# Altium PCB main_board.PcbDoc
Units mm, origin at the board's own origin, x right, y up, seen from the top; angles counter-clockwise.
Board outline 199.97 x 144.74 mm, 2 copper layers (Top Layer, Bottom Layer), stack 1.57 mm thick; 221 components, 240 nets, 739 pads, 0 vias.
Unrouted connection lines stored in the file: 473.
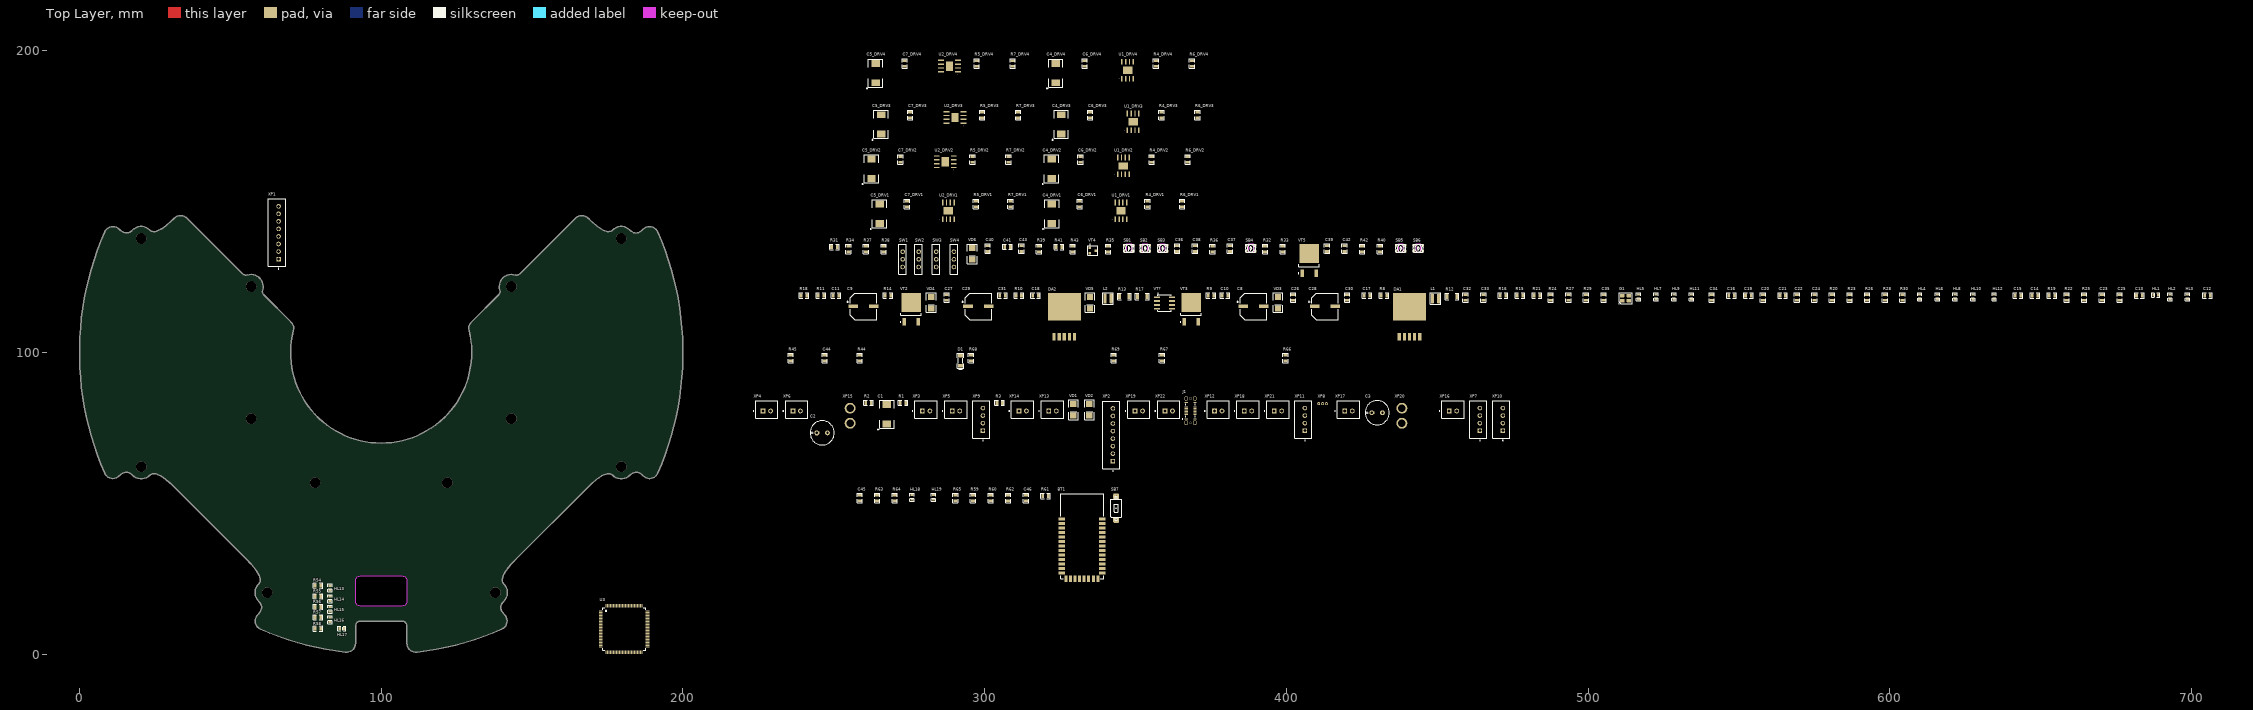
[diagram p0: Top Layer view]
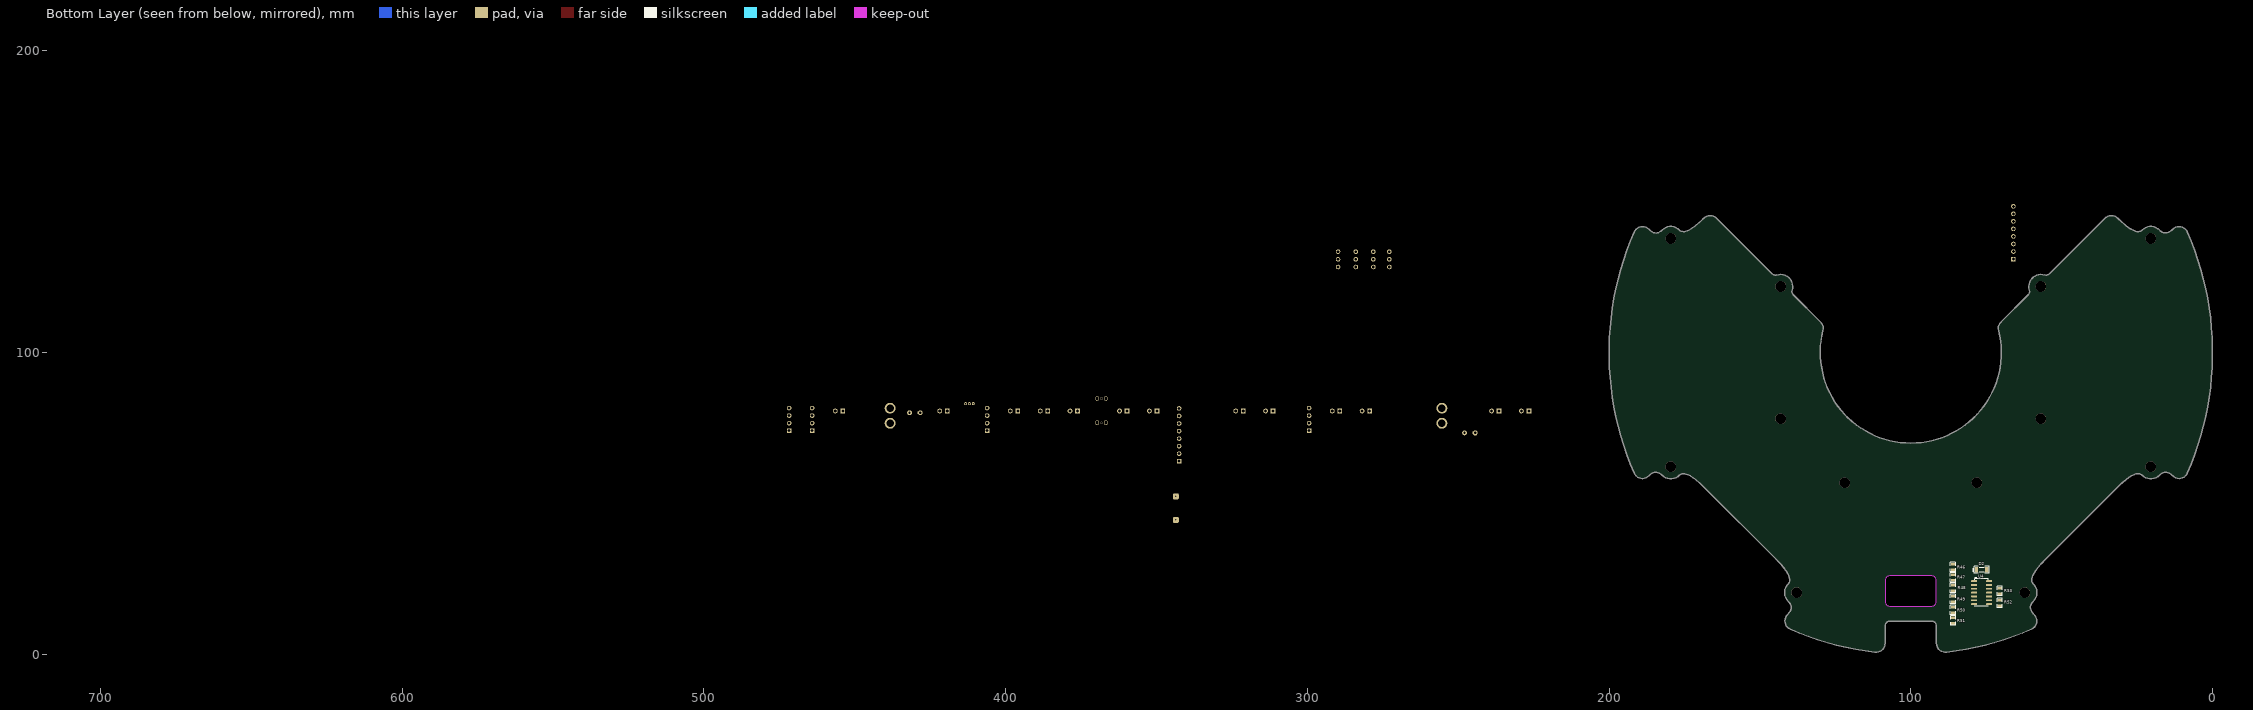
[diagram p1: Bottom Layer view, seen from below]

## Layer stack, top to bottom
Top Solder: solder mask 0.0102, Solder Resist, Dk 3.5
Top Layer: signal copper 0.035
Dielectric 1: dielectric 1.5, FR-4, Dk 4.8
Bottom Layer: signal copper 0.035
Bottom Solder: solder mask 0.0102, Solder Resist, Dk 3.5

## Board outline
502 vertices, not listed, extent 0.013,0.691 199.987,145.426
cut-out: 107,16 93,16 92.666,16.038 92.349,16.149 92.065,16.327 91.827,16.565 91.649,16.849 91.538,17.166 91.5,17.5 91.5,24.5 91.538,24.834 91.649,25.151 91.827,25.435 92.065,25.673 92.349,25.851 92.666,25.962 93,26 107,26 107.334,25.962 107.651,25.851 107.935,25.673 108.173,25.435 108.351,25.151 108.462,24.834 108.5,24.5 108.5,17.5 108.462,17.166 108.351,16.849 108.173,16.565 107.935,16.327 107.651,16.149 107.334,16.038

## Design rules (kind name [scope] priority, off if disabled: settings)
BoardOutlineClearance [All] p1: gap=0.25 ignorepadtopadclearanceinfootprint=FALSE
Clearance Clearance_MultiLayerPad [OnLayer('Multi-Layer') and IsPad] p1: gap=0.25 ignorepadtopadclearanceinfootprint=FALSE except(0: Arc-Hole Track-Hole SMDPad-Hole THPad-Hole Via-Hole Fill-Hole Poly-Hole Region-Hole Text-Hole)
Clearance Clearance_Polygon [InPolygon] p2 off: gap=0.2 ignorepadtopadclearanceinfootprint=FALSE except(0: Arc-Hole Track-Hole SMDPad-Hole THPad-Hole Via-Hole Fill-Hole Poly-Hole Region-Hole Text-Hole)
Clearance [All] p3: gap=0.15 ignorepadtopadclearanceinfootprint=FALSE except(0: Arc-Hole Track-Hole SMDPad-Hole THPad-Hole Via-Hole Fill-Hole Poly-Hole Region-Hole Text-Hole)
ComponentClearance [All] p1 off: gap=0 collisioncheckmode=3 verticalgap=2540 showdistances=TRUE
Height [All] p1 off: minheight=0 maxheight=25.4 prefheight=12.7
HoleSize [All] p1: absolutevalues=TRUE maxlimit=6.3 minlimit=0.2 maxpercent=80.000 minpercent=20.000
HoleToHoleClearance HoleToHoleClearanceVia [IsVia vs IsVia] p1: gap=0.254 allowstackedmicrovias=TRUE
HoleToHoleClearance [All] p2: gap=0.5 allowstackedmicrovias=TRUE
MinimumAnnularRing MinimumAnnularRingVia [IsVia] p1: minimumring=0.15
MinimumAnnularRing [All] p2: minimumring=0.25
MinimumSolderMaskSliver [All] p1: minsoldermaskwidth=0.244
PlaneClearance [All] p1: clearance=0.5
PlaneConnect [All] p1: planeconnectstyle=Relief reliefexpansion=0.5 reliefentries=4 reliefconductorwidth=0.3 reliefairgap=0.2
PolygonConnect PolygonConnect_Power [InPadClass('power')] p1: connectstyle=Relief reliefconductorwidth=0.9 reliefentries=4 polygonreliefangle="90 Angle" airgapwidth=0.2
PolygonConnect [All] p2: thpad.connectstyle=Relief thpad.reliefconductorwidth=0.3 thpad.reliefentries=4 thpad.polygonreliefangle="90 Angle" thpad.airgapwidth=0.2 smdpad.connectstyle=Relief smdpad.reliefconductorwidth=0.3 smdpad.reliefentries=4 smdpad.polygonreliefangle="90 Angle" smdpad.airgapwidth=0.2 via.connectstyle=Direct via.reliefconductorwidth=0.3 via.reliefentries=4 via.polygonreliefangle="90 Angle" via.airgapwidth=0.2
RoutingVias [All] p1: holewidth=0.3 width=0.6 viastyle="Through Hole" minholewidth=0.3 minwidth=0.6 maxholewidth=0.5 maxwidth=1.5
SilkToSilkClearance [All] p1: silktosilkclearance=0.2
SilkToSolderMaskClearance [IsPad] p1: minsilkscreentomaskgap=0.15 clearancetoexposedcopper=TRUE
SolderMaskExpansion [All] p1: expansion=0.05
UnRoutedNet [All] p1: checkbadconnections=TRUE
Width [All] p1: maxlimit=10 minlimit=0.15 preferedwidth=0.3
20 further rules are at their usual default settings.

## Classes and differential pairs
channel class drv: DRV1 DRV2 DRV3 DRV4
component class Switches: C36 C37 C38 C39 C40 C41 C42 C43 R31 R32 R33 R34 R35 R36 R37 R38 R39 R40 R41 R42 R43 SB1 SB2 SB3 SB4 SB5 SB6 SW1 SW2 SW3 SW4 VD6 VT4 VT5
component class main: C8 C9 C10 C11 C12 C13 C14 C15 C16 C17 C18 C19 C20 C21 C22 C23 C24 C25 C26 C27 C28 C29 C30 C31 C32 C33 C34 C35 DA1 DA2 G1 HL1 HL2 HL3 HL4 HL5 HL6 HL7 HL8 HL9 HL10 HL11 HL12 L1 L2 R8 R9 R10 R11 R12 R13 R14 R15 R16 R17 R18 R19 R20 R21 R22 R23 R24 R25 R26 R27 R28 R29 R30 U3 VD3 VD4 VD5 VT2 VT3 VT?
component class Indicator: C44 D1 D2 HL13 HL14 HL15 HL16 HL17 R44 R45 R46 R47 R48 R49 R50 R51 R52 R53 R54 R55 R56 R57 R58 R66 R67 R68 R69 U4
component class DRV4: C4_DRV4 C5_DRV4 C6_DRV4 C7_DRV4 R4_DRV4 R5_DRV4 R6_DRV4 R7_DRV4 U1_DRV4 U2_DRV4
component class DRV3: C4_DRV3 C5_DRV3 C6_DRV3 C7_DRV3 R4_DRV3 R5_DRV3 R6_DRV3 R7_DRV3 U1_DRV3 U2_DRV3
component class DRV2: C4_DRV2 C5_DRV2 C6_DRV2 C7_DRV2 R4_DRV2 R5_DRV2 R6_DRV2 R7_DRV2 U1_DRV2 U2_DRV2
component class DRV1: C4_DRV1 C5_DRV1 C6_DRV1 C7_DRV1 R4_DRV1 R5_DRV1 R6_DRV1 R7_DRV1 U1_DRV1 U2_DRV1
component class Connectors: C1 C2 C3 J1 R1 R2 R3 VD1 VD2 XP1 XP2 XP3 XP4 XP5 XP6 XP7 XP8 XP9 XP10 XP11 XP12 XP13 XP14 XP15 XP16 XP17 XP18 XP19 XP20 XP21 XP22
component class Bluetooth: BT1 C45 C46 HL18 HL19 R59 R60 R61 R62 R63 R64 R65 SB7

## Components (designator, comment, footprint, x,y, rotation, side; value= is the part's Value field where it differs from the comment)
BT1 "HC-05" HC-05 332.38,38.138 r0 top
C1 "47uF" CAP_TANT_D 267.594,79.58 r90 top
C2 "470uF" D8C3.5H12 246.15,73.4 r0 top
C3 "25v 470uF" D8C3.5H12 430.093,80.08 r0 top
C4_DRV1 "25v 47uF" CAP_TANT_D 322.28,146.038 r90 top (schematic designator C4)
C4_DRV2 "25v 47uF" CAP_TANT_D 322.18,160.938 r90 top (schematic designator C4)
C4_DRV3 "25v 47uF" CAP_TANT_D 325.406,175.629 r90 top (schematic designator C4)
C4_DRV4 "25v 47uF" CAP_TANT_D 323.58,192.638 r90 top (schematic designator C4)
C5_DRV1 "25v 47uF" CAP_TANT_D 265.18,146.038 r90 top (schematic designator C5)
C5_DRV2 "25v 47uF" CAP_TANT_D 262.48,160.938 r90 top (schematic designator C5)
C5_DRV3 "25v 47uF" CAP_TANT_D 265.706,175.629 r90 top (schematic designator C5)
C5_DRV4 "25v 47uF" CAP_TANT_D 263.88,192.638 r90 top (schematic designator C5)
C6_DRV1 "0.1uF" CAP0805 331.48,149.238 r90 top (schematic designator C6)
C6_DRV2 "0.1uF" CAP0805 331.78,164.038 r90 top (schematic designator C6)
C6_DRV3 "0.1uF" CAP0805 335.006,178.729 r90 top (schematic designator C6)
C6_DRV4 "0.1uF" CAP0805 333.18,195.838 r90 top (schematic designator C6)
C7_DRV1 "0.1uF" CAP0805 274.28,149.238 r90 top (schematic designator C7)
C7_DRV2 "0.1uF" CAP0805 272.08,164.038 r90 top (schematic designator C7)
C7_DRV3 "0.1uF" CAP0805 275.306,178.729 r90 top (schematic designator C7)
C7_DRV4 "0.1uF" CAP0805 273.48,195.838 r90 top (schematic designator C7)
C8 "220uF" D8C3.2H12 389.102,115.35 r0 top
C9 "220uF" D8C3.2H12 259.803,115.35 r0 top
C10 "1uF" CAP0805 379.602,118.95 r0 top
C11 "1uF" CAP0805 250.703,118.95 r0 top
C12 "1uF" CAP0805 705.302,118.95 r0 top
C13 "0.1uF" CAP0805 682.702,118.95 r0 top
C14 "1uF" CAP0805 648.102,118.95 r0 top
C15 "0.1uF" CAP0805 642.502,118.95 r0 top
C16 "0.1uF" CAP0805 547.502,118.95 r0 top
C17 "1uF" CAP0805 426.702,118.95 r0 top
C18 "1uF" CAP0805 316.903,118.95 r0 top
C19 "0.1uF" CAP0805 553.102,118.95 r0 top
C20 "0.1uF" CAP0805 558.002,118.25 r90 top
C21 "0.1uF" CAP0805 564.502,118.95 r0 top
C22 "0.1uF" CAP0805 569.202,118.25 r90 top
C23 "0.1uF" CAP0805 670.302,118.25 r90 top
C24 "0.1uF" CAP0805 575.002,118.25 r90 top
C25 "1uF" CAP0805 676.202,118.25 r90 top
C26 "1uF" CAP0805 402.302,118.25 r90 top
C27 "1uF" CAP0805 287.403,118.25 r90 top
C28 "330uF" D8C3.2H12 412.802,115.35 r0 top
C29 "330uF" D8C3.2H12 297.903,115.35 r0 top
C30 "33nF" CAP0805 420.202,118.25 r90 top
C31 "33nF" CAP0805 305.903,118.95 r0 top
C32 "2.2uF" CAP0805 459.402,118.25 r90 top
C33 "2.2uF" CAP0805 465.302,118.25 r90 top
C34 "20pF" CAP0805 541.002,118.25 r90 top
C35 "20pF" CAP0805 505.202,118.25 r90 top
C36 "1uF" CAP0805 363.806,134.473 r90 top
C37 "0.1uF" CAP0805 381.306,134.473 r90 top
C38 "10uF" CAP0805 369.706,134.473 r90 top
C39 "1uF" CAP0805 413.506,134.473 r90 top
C40 "1uF" CAP0805 301.006,134.473 r90 top
C41 "1uF" CAP0805 307.606,135.073 r0 top
C42 "1uF" CAP0805 419.306,134.473 r90 top
C43 "1uF" CAP0805 312.206,134.473 r90 top
C44 "0.1uF" CAP0805 246.98,98.238 r90 top
C45 "0.1uF" CAP0805 258.58,51.838 r90 top
C46 "0.1uF" CAP0805 313.68,51.838 r90 top
D1 "3.3V" SOD-80 291.98,97.338 r90 top
D2 "8.2V" SOD-80 76.5,28 r180 bottom
DA1 "XL4015" TO263-5L 440.602,111.55 r0 top
DA2 "XL4015" TO263-5L 326.203,111.55 r0 top
G1 "8 MHz" TSX-3225 512.402,118.05 r0 top
HL1 "LED1" LED0603_WHITE 688.102,119.05 r0 top
HL2 "LED2" LED0603_WHITE 692.802,118.45 r90 top
HL3 "LED3" LED0603_WHITE 698.602,118.45 r90 top
HL4 "BG" LED0603_WHITE 609.902,118.45 r90 top
HL5 "48V" LED0603_GREEN 516.702,118.45 r90 top
HL6 "YG" LED0603_WHITE 615.802,118.45 r90 top
HL7 "12V" LED0603_GREEN 522.502,118.45 r90 top
HL8 "ST" LED0603_WHITE 621.602,118.45 r90 top
HL9 "5V" LED0603_GREEN 528.402,118.45 r90 top
HL10 "GK" LED0603_WHITE 627.502,118.45 r90 top
HL11 "3V3" LED0603_GREEN 534.202,118.45 r90 top
HL12 "M_ON" LED0603_RED 634.602,118.45 r90 top
HL13 "White" LED0603_GREEN 83,22 r90 top
HL14 "White" LED0603_GREEN 83,18.5 r90 top
HL15 "White" LED0603_GREEN 83,15 r90 top
HL16 "White" LED0603_GREEN 83,11.5 r90 top
HL17 "Red" LED0603_RED 87,8.5 r180 top
HL18 "White" LED0603_WHITE 275.88,52.038 r90 top
HL19 "White" LED0603_WHITE 283.08,52.038 r90 top
J1 "USB" USB-C 368.2,80.8 r90 top
L1 "47uH" VLS3012HBX 449.402,117.95 r0 top
L2 "47uH" VLS3012HBX 340.902,117.95 r0 top
R1 "70R" RES0805 272.994,83.38 r0 top
R2 "10K" RES0805 261.494,83.38 r0 top
R3 "10K" RES0805 304.994,83.38 r0 top
R4_DRV1 "10K" RES0805 353.98,149.238 r90 top (schematic designator R4)
R4_DRV2 "10K" RES0805 355.38,164.038 r90 top (schematic designator R4)
R4_DRV3 "10K" RES0805 358.606,178.729 r90 top (schematic designator R4)
R4_DRV4 "10K" RES0805 356.78,195.838 r90 top (schematic designator R4)
R5_DRV1 "10K" RES0805 297.08,149.238 r90 top (schematic designator R5)
R5_DRV2 "10K" RES0805 295.98,164.038 r90 top (schematic designator R5)
R5_DRV3 "10K" RES0805 299.206,178.729 r90 top (schematic designator R5)
R5_DRV4 "10K" RES0805 297.38,195.838 r90 top (schematic designator R5)
R6_DRV1 "10K" RES0805 365.48,149.238 r90 top (schematic designator R6)
R6_DRV2 "10K" RES0805 367.28,164.038 r90 top (schematic designator R6)
R6_DRV3 "10K" RES0805 370.506,178.729 r90 top (schematic designator R6)
R6_DRV4 "10K" RES0805 368.68,195.838 r90 top (schematic designator R6)
R7_DRV1 "10K" RES0805 308.58,149.238 r90 top (schematic designator R7)
R7_DRV2 "10K" RES0805 307.88,164.038 r90 top (schematic designator R7)
R7_DRV3 "10K" RES0805 311.106,178.729 r90 top (schematic designator R7)
R7_DRV4 "10K" RES0805 309.28,195.838 r90 top (schematic designator R7)
R8 "22K" RES0805 432.302,118.95 r0 top
R9 "13K" RES0805 375.002,118.95 r0 top
R10 "30K" RES0805 311.303,118.95 r0 top
R11 "10K" RES0805 245.703,118.95 r0 top
R12 "0R" RES1206 454.902,118.65 r0 top
R13 "0R" RES1206 346.302,118.65 r0 top
R14 "10K" RES0805 267.903,118.95 r0 top
R15 "10K" RES0805 477.402,118.95 r0 top
R16 "10K" RES0805 471.802,118.95 r0 top
R17 "15R" RES1206 352.202,118.65 r0 top
R18 "10K" RES0805 240.103,118.95 r0 top
R19 "1K" RES0805 653.702,118.95 r0 top
R20 "1K" RES0805 580.802,118.25 r90 top
R21 "22K" RES0805 483.002,118.95 r0 top
R22 "1K" RES0805 658.602,118.25 r90 top
R23 "1K" RES0805 586.702,118.25 r90 top
R24 "4.7K" RES0805 487.602,118.25 r90 top
R25 "1K" RES0805 664.402,118.25 r90 top
R26 "1K" RES0805 592.502,118.25 r90 top
R27 "1.5K" RES0805 493.502,118.25 r90 top
R28 "1K" RES0805 598.402,118.25 r90 top
R29 "1K" RES0805 499.302,118.25 r90 top
R30 "1K" RES0805 604.202,118.25 r90 top
R31 "10K" RES0805 250.206,135.073 r0 top
R32 "10K" RES0805 393.006,134.373 r90 top
R33 "100K" RES0805 398.806,134.373 r90 top
R34 "10K" RES0805 254.806,134.373 r90 top
R35 "300K" RES0805 340.906,134.373 r90 top
R36 "100K" RES0805 375.506,134.373 r90 top
R37 "10K" RES0805 260.606,134.373 r90 top
R38 "10K" RES0805 266.506,134.373 r90 top
R39 "10K" RES0805 318.006,134.373 r90 top
R40 "10K" RES0805 431.006,134.373 r90 top
R41 "10K" RES0805 324.606,135.073 r0 top
R42 "10K" RES0805 425.106,134.373 r90 top
R43 "10K" RES0805 329.206,134.373 r90 top
R44 "39K" RES0805 258.58,98.238 r90 top
R45 "11K" RES0805 235.68,98.238 r90 top
R46 "10K" RES0805 86.061,28.91 r90 bottom
R47 "27K" RES0805 86.04,25.472 r90 bottom
R48 "1K" RES0805 86.02,21.938 r90 bottom
R49 "1K" RES0805 86.061,18.312 r90 bottom
R50 "1K" RES0805 86.02,14.692 r90 bottom
R51 "24K" RES0805 85.98,11.192 r90 bottom
R52 "10K" RES0805 70.52,17 r270 bottom
R53 "5.1K" RES0805 70.5,21 r270 bottom
R54 "1K" RES0805 79,22.75 r180 top
R55 "1K" RES0805 79,19.25 r180 top
R56 "1K" RES0805 79,15.75 r180 top
R57 "1K" RES0805 79,12.25 r180 top
R58 "4.7K" RES0805 79,8.5 r180 top
R59 "10K" RES0805 296.08,51.838 r90 top
R60 "10K" RES0805 301.98,51.838 r90 top
R61 "0R" RES0805 320.18,52.538 r0 top
R62 "0R" RES0805 307.78,51.838 r90 top
R63 "1K" RES0805 264.38,51.838 r90 top
R64 "1K" RES0805 270.18,51.838 r90 top
R65 "10K" RES0805 290.28,51.838 r90 top
R66 "1K" RES0805 399.68,98.238 r90 top
R67 "13K" RES0805 358.78,98.238 r90 top
R68 "1K" RES0805 295.48,98.238 r90 top
R69 "1K" RES0805 342.78,98.238 r90 top
SB1 "BTN1" TL3700AF160QG 347.806,134.573 r0 top
SB2 "BTN2" TL3700AF160QG 353.206,134.573 r0 top
SB3 "BTN3" TL3700AF160QG 359.006,134.573 r0 top
SB4 "POWER" TL3700AF160QG 388.206,134.573 r0 top
SB5 "RESET" TL3700AF160QG 437.906,134.573 r0 top
SB6 "RESET_IMU" TL3700AF160QG 443.706,134.573 r0 top
SB7 "#NAME?" "PTS636 SP43 LFS" 343.58,48.438 r90 top
SW1 "ESP1010" ESP1010 272.806,130.973 r90 top
SW2 "ESP1010" ESP1010 278.106,130.973 r90 top
SW3 "ESP1010" ESP1010 283.906,130.973 r90 top
SW4 "ESP1010" ESP1010 289.806,130.973 r90 top
U1_DRV1 "DRV8870" HSOP-8 345.18,146.938 r0 top (schematic designator U1)
U1_DRV2 "DRV8870" HSOP-8 345.98,161.838 r0 top (schematic designator U1)
U1_DRV3 "DRV8870" HSOP-8 349.206,176.429 r0 top (schematic designator U1)
U1_DRV4 "DRV8870" HSOP-8 347.38,193.538 r0 top (schematic designator U1)
U2_DRV1 "DRV8870" HSOP-8 287.98,146.938 r0 top (schematic designator U2)
U2_DRV2 "DRV8870" HSOP-8 286.98,163.238 r90 top (schematic designator U2)
U2_DRV3 "DRV8870" HSOP-8 290.206,177.929 r90 top (schematic designator U2)
U2_DRV4 "DRV8870" HSOP-8 288.38,194.938 r90 top (schematic designator U2)
U3 "STM32F407VGT6" LQFP100 180.5,8.4 r0 top
U4 "SOIC-14" SOIC-14 76.559,20.456 r180 bottom locked
VD1 "Diode TVS" "DO-214AC (SMA)" 329.394,81.08 r90 top
VD2 "Diode TVS" "DO-214AC (SMA)" 334.694,81.08 r90 top
VD3 "Diode Schottky" "DO-214AC (SMA)" 397.202,116.55 r90 top
VD4 "Diode Schottky" "DO-214AC (SMA)" 282.303,116.55 r90 top
VD5 "Diode Schottky" "DO-214AC (SMA)" 334.902,116.55 r90 top
VD6 "Diode Schottky" "DO-214AC (SMA)" 295.906,132.773 r90 top
VT2 "STD30NF06L" DPAK 275.703,113.45 r90 top
VT3 "TPSTD10P6F6" DPAK 368.502,113.45 r90 top
VT4 "IRLML2502" SOT-23-3 335.906,133.773 r0 top
VT5 "FDD6637" DPAK 407.606,129.573 r90 top
VT? "IRS4427" SOIC-8 359.602,116.45 r0 top
XP1 "Line Board" JST_XH-8 65.983,139.75 r90 top
XP2 "Line Board" JST_XH-8 342.483,72.75 r90 top
XP3 "BALL_LED" JST_XH-2 280.594,81.18 r0 top
XP4 "CAP" JST_XH-2 227.794,81.18 r0 top
XP5 "BALL_SEN" JST_XH-2 290.494,81.18 r0 top
XP6 "Solenoid" JST_XH-2 237.694,81.18 r0 top
XP7 "HC-05" JST_XH-4 463.593,77.88 r90 top
XP8 "ST-Lnk" 3x1.27 411.994,83.08 r0 top
XP9 "OpenMV" JST_XH-4 298.894,77.88 r90 top
XP10 "IMU" JST_XH-4 471.193,77.88 r90 top
XP11 "HC-05" JST_XH-4 405.594,77.88 r90 top
XP12 "OpenMV" JST_XH-2 377.394,81.18 r0 top
XP13 "OpenMV" JST_XH-2 322.494,81.18 r0 top
XP14 "ESC_IN" JST_XH-2 312.594,81.18 r0 top
XP15 "ESC_PWR" XT30_3D 255.394,79.08 r90 top
XP16 "M1" JST_XH-2 455.193,81.18 r0 top
XP17 "M2" JST_XH-2 420.593,81.18 r0 top
XP18 "M3" JST_XH-2 387.294,81.18 r0 top
XP19 "M4" JST_XH-2 351.094,81.18 r0 top
XP20 "XT30" XT30_3D 438.293,79.08 r90 top
XP21 "XL6009 IN" JST_XH-2 397.194,81.18 r0 top
XP22 "XL6009 OUT" JST_XH-2 360.994,81.18 r0 top

## Footprints (in the part's own frame and the unit in brackets; to place one, negate y for a bottom-side part, rotate by r counter-clockwise, add the part's x,y. Pads: shape width x height; smd on the part's side, far side on the other; paste and mask are expansions set on the pad)
3x1.27 [mm]
  round 1 hole 0.6: 1(-1.27,0) 2(0,0) 3(1.27,0)
  body extent -1.9,-1.23 1.9,1.27, height 4.1
CAP0805 [mm] "SMD ceramic capacitor 0805"
  rect 0.9x1.397 smd: 1(-0.929,0.006) 2(0.931,0.006)
  silkscreen extent -1.55,-0.88 1.55,0.88, body extent -1,-0.63 1,0.62, height 1.24
CAP_TANT_D [mil]
  rect 90x110 smd: 1(126.76,-0.24) 2(-125.2,-0.24)
  silkscreen extent -211,-94 184,125, body extent -148,-89 148,89, height 122
D8C3.2H12 [mm]
  rect 3.2x1.2 smd: 1(-3.4,0) 2(3.4,0)
  round 0.5 on Mech1: ""(-4.3,-3.7)
  silkscreen extent -5.5,-4.4 4.4,4.4, body extent -4.85,-4.25 4.85,4.25, height 10.5
D8C3.5H12 [mm] "Polar capacitor, diameter 8 mm, leads clearance 3.5 mm, height 12 mm"
  oct 1.6x1.6 hole 0.8: 1(-1.75,0)
  round 1.6 hole 0.8: 2(1.75,0)
  silkscreen extent -4,-4 4,4, body extent -4.25,-4.25 4.25,4.25, height 13
"DO-214AC (SMA)" [mm] "SMA"
  rrect0% 2x2.1 smd: A(1.95,0.003) K(-1.95,0.003)
  silkscreen extent -3.25,-1.6 3.22,1.6, body extent -2.65,-1.4 2.65,1.4, height 2.3
DPAK [mm] "TO-252"
  rect 6.25x6.5 smd: D(3.219,0.034)
  rect 2.5x1.2 smd: G(-3.281,2.324) S(-3.281,-2.256)
  round 0.5 on Mech1: ""(-3.231,2.934)
  silkscreen extent -3.41,-3.27 -0.33,3.75, body extent -3.83,-3.28 6.27,3.45, height 2.37
ESP1010 [mm] "Slide switch"
  round 1.5 hole 0.9: 1(-2.596,-0.014) 2(-0.056,-0.014) 3(2.484,-0.014)
  silkscreen extent -5.06,-1.24 4.94,1.26, body extent -5.06,-1.24 4.94,1.26, height 6.55
HC-05 [mm] "Bluetooth HC-05"
  rect 2.2x1 smd: 1(-6.886,6.787) 2(-6.886,5.287) 3(-6.886,3.787) 4(-6.886,2.287) 5(-6.886,0.787) 6(-6.886,-0.713) 7(-6.886,-2.213) 8(-6.886,-3.713) 9(-6.886,-5.213) 10(-6.886,-6.713) 11(-6.886,-8.213) 12(-6.886,-9.713) 13(-6.886,-11.213) 22(6.614,-11.213) 23(6.614,-9.713) 24(6.614,-8.213) 25(6.614,-6.713) 26(6.614,-5.213) 27(6.614,-3.713) 28(6.614,-2.213) 29(6.614,-0.713) 30(6.614,0.787) 31(6.614,2.287) 32(6.614,3.787) 33(6.614,5.287) 34(6.614,6.787)
  rect 1x2.2 smd: 14(-5.386,-13.113) 15(-3.886,-13.113) 16(-2.386,-13.113) 17(-0.886,-13.113) 18(0.614,-13.113) 19(2.114,-13.113) 20(3.614,-13.113) 21(5.114,-13.113)
  round 0.5 on Mech1: 33(-6.586,7.787)
  round 0.5 on Top Overlay: 34(-7.686,7.787)
  silkscreen extent -7.19,-13.06 7.01,15.14, body extent -6.55,-12.95 6.45,13.95, height 2.2
HSOP-8 [mm]
  rect 0.45x1.9 smd: 1(-1.897,-2.75) 2(-0.627,-2.75) 3(0.643,-2.75) 4(1.913,-2.75) 5(1.913,2.85) 6(0.643,2.85) 7(-0.627,2.85) 8(-1.897,2.85)
  rect 3.1x2.4 smd: 9(0.008,0.05)
  body extent -2.44,-2.9 2.46,3, height 1.46
JST_XH-2 [mm] "JST_B2B-XH-A(LF)(SN)"
  rect 1.575x1.575 / inner round 1.575 / far side rect 1.575x1.575 hole 1.05: 1(-1.25,-0.525)
  round 1.575 hole 1.05: 2(1.25,-0.525)
  silkscreen extent -4.55,-2.88 3.7,2.88, body extent -3.7,-2.88 3.7,2.88, height 7
JST_XH-4 [mm] "JST_B4B-XH-A(LF)(SN)"
  rect 1.508x1.508 / inner round 1.508 / far side rect 1.508x1.508 hole 1: 1(-3.75,-0.525)
  round 1.508 hole 1: 2(-1.25,-0.525) 3(1.25,-0.525) 4(3.75,-0.525)
  silkscreen extent -7.05,-2.88 6.2,2.88, body extent -6.2,-2.88 6.2,2.88, height 7
JST_XH-8 [mm] "JST_B8B-XH-A(LF)(SN)"
  rect 1.508x1.508 hole 1: 1(-8.75,-0.017)
  round 1.508 hole 1: 2(-6.25,-0.017) 3(-3.75,-0.017) 4(-1.25,-0.017) 5(1.25,-0.017) 6(3.75,-0.017) 7(6.25,-0.017) 8(8.75,-0.017)
  silkscreen extent -12.05,-2.37 11.2,3.38, body extent -11.2,-2.37 11.2,3.38, height 7
LED0603_GREEN [mm] "Green SMD LED"
  rect 0.7x1 smd: 1(-0.75,0) 2(0.75,0)
  silkscreen extent -1.33,-0.73 1.33,0.73, body extent -0.8,-0.4 0.8,0.4, height 0.6
LED0603_RED [mm] "Red SMD LED"
  rect 0.7x1 smd: 1(-0.75,0) 2(0.75,0)
  silkscreen extent -1.33,-0.73 1.33,0.73, body extent -0.82,-0.4 0.78,0.4, height 0.6
LED0603_WHITE [mm] "White SMD LED"
  rect 0.7x1 smd: 1(-0.75,0) 2(0.75,0)
  silkscreen extent -1.33,-0.73 1.33,0.73, body extent -0.8,-0.4 0.8,0.4, height 0.75
LQFP100 [mm] "Microcontroller"
  rect 1.2x0.3 smd: 1(-7.75,6) 2(-7.75,5.5) 3(-7.75,5) 4(-7.75,4.5) 5(-7.75,4) 6(-7.75,3.5) 7(-7.75,3) 8(-7.75,2.5) 9(-7.75,2) 10(-7.75,1.5) 11(-7.75,1) 12(-7.75,0.5) 13(-7.75,0) 14(-7.75,-0.5) 15(-7.75,-1) 16(-7.75,-1.5) 17(-7.75,-2) 18(-7.75,-2.5) 19(-7.75,-3) 20(-7.75,-3.5) 21(-7.75,-4) 22(-7.75,-4.5) 23(-7.75,-5) 24(-7.75,-5.5) 25(-7.75,-6) 51(7.75,-6) 52(7.75,-5.5) 53(7.75,-5) 54(7.75,-4.5) 55(7.75,-4) 56(7.75,-3.5) 57(7.75,-3) 58(7.75,-2.5) 59(7.75,-2) 60(7.75,-1.5) 61(7.75,-1) 62(7.75,-0.5) 63(7.75,0) 64(7.75,0.5) 65(7.75,1) 66(7.75,1.5) 67(7.75,2) 68(7.75,2.5) 69(7.75,3) 70(7.75,3.5) 71(7.75,4) 72(7.75,4.5) 73(7.75,5) 74(7.75,5.5) 75(7.75,6)
  rect 0.3x1.2 smd: 26(-6,-7.75) 27(-5.5,-7.75) 28(-5,-7.75) 29(-4.5,-7.75) 30(-4,-7.75) 31(-3.5,-7.75) 32(-3,-7.75) 33(-2.5,-7.75) 34(-2,-7.75) 35(-1.5,-7.75) 36(-1,-7.75) 37(-0.5,-7.75) 38(0,-7.75) 39(0.5,-7.75) 40(1,-7.75) 41(1.5,-7.75) 42(2,-7.75) 43(2.5,-7.75) 44(3,-7.75) 45(3.5,-7.75) 46(4,-7.75) 47(4.5,-7.75) 48(5,-7.75) 49(5.5,-7.75) 50(6,-7.75) 76(6,7.75) 77(5.5,7.75) 78(5,7.75) 79(4.5,7.75) 80(4,7.75) 81(3.5,7.75) 82(3,7.75) 83(2.5,7.75) 84(2,7.75) 85(1.5,7.75) 86(1,7.75) 87(0.5,7.75) 88(0,7.75) 89(-0.5,7.75) 90(-1,7.75) 91(-1.5,7.75) 92(-2,7.75) 93(-2.5,7.75) 94(-3,7.75) 95(-3.5,7.75) 96(-4,7.75) 97(-4.5,7.75) 98(-5,7.75) 99(-5.5,7.75) 100(-6,7.75)
  silkscreen extent -7.1,-7.1 7.1,7.1, body extent -8.03,-8 7.97,8, height 1.6
"PTS636 SP43 LFS" [mm]
  rrect50% 2x2 hole 0.5: 1(-3.9,0) 2(3.9,0)
  silkscreen extent -4,-1.8 4,1.8
RES0805 [mm] "SMD resistor 0805"
  rect 0.9x1.397 smd: 1(-0.938,-0.02) 2(0.942,-0.02)
  silkscreen extent -1.58,-0.9 1.58,0.85, body extent -1,-0.63 1,0.62, height 0.5
RES1206 [mm] "SMD resistor 1206"
  rect 1x1.77 smd: 1(-1.6,0) 2(1.6,0)
  silkscreen extent -2.27,-1.08 2.27,1.08, body extent -1.6,-0.8 1.6,0.8, height 0.55
SOD-80 [mm]
  rect 1.11x1.73 smd: A(1.67,0.022) K(-1.74,0.022)
  silkscreen extent -2.8,-1.09 2.47,1.14, body extent -1.79,-0.78 1.71,0.82, height 1.6
SOIC-8 [mm] "SOIC-8"
  rrect25% 1.97x0.6 smd: 1(-2.498,1.907) 2(-2.498,0.637) 3(-2.498,-0.633) 4(-2.498,-1.903) 5(2.442,-1.903) 6(2.442,-0.633) 7(2.442,0.637) 8(2.442,1.907)
  silkscreen extent -2.3,-2.7 2.3,3.3, body extent -2.95,-2.45 2.95,2.45, height 1.5
SOIC-14 [mm] "SOIC-14"
  rrect50% 1.97x0.6 smd: 1(-2.441,3.804) 2(-2.441,2.534) 3(-2.441,1.264) 4(-2.441,-0.006) 5(-2.441,-1.276) 6(-2.441,-2.546) 7(-2.441,-3.816) 8(2.509,-3.816) 9(2.509,-2.546) 10(2.509,-1.276) 11(2.509,-0.006) 12(2.509,1.264) 13(2.509,2.534) 14(2.509,3.804)
  silkscreen extent -2.2,-4.57 2.3,5.1, body extent -4.7,-4.33 3.03,4.32, height 1.75
SOT-23-3 [mm]
  rect 0.8x0.8 smd: D(0.967,0.043)
  rect 0.9x0.8 smd: G(-1.033,0.993) S(-1.033,-0.907)
  silkscreen extent -1.68,-1.51 1.57,2.14, body extent -1.18,-1.46 1.12,1.54, height 1.1
TL3700AF160QG [mm] "SWITCH TACTILE SPST-NO 0.02A 15V"
  rect 0.8x0.8 smd: 1(-1.5,1) 2(1.5,1) 3(-1.5,-1) 4(1.5,-1)
  Top Layer keep-out region: -0.9,-1.3 0.9,-1.3 0.9,1.3 -0.9,1.3
  silkscreen extent -1.7,-1.3 1.7,1.3, body extent -1.7,-1.3 1.7,1.3, height 0.65
TO263-5L [mm]
  rect 1.05x2.5 smd: 1(-3.199,-6.264) 2(-1.499,-6.264) 3(0.201,-6.264) 4(1.901,-6.264) 5(3.601,-6.264)
  rect 10.9x9.1 smd: 3(0.201,3.636)
  body extent -4.88,-6.93 5.28,7.74, height 4.83
TSX-3225 [mm]
  round 0.508 on Mech15: 0(0,0)
  rrect25% 1.4x1.2 smd: 1(-1.1,-0.85) 2(1.1,-0.85) 3(1.1,0.85) 4(-1.1,0.85)
  silkscreen extent -2.26,-1.88 2.16,1.78, body extent -1.65,-1.3 1.65,1.3, height 0.8
USB-C [mm] "USB4145-04-0070-C"
  rect 0.3x1.15 smd: A1(-2.77,1.46) A4(-1.27,1.46) A5(-0.77,1.46) A6(-0.27,1.46) A7(0.23,1.46) A8(0.73,1.46) A9(1.23,1.46) A12(2.73,1.46) B1(2.73,-1.51) B4(1.23,-1.51) B5(0.73,-1.51) B6(0.23,-1.51) B7(-0.27,-1.51) B8(-0.77,-1.51) B9(-1.27,-1.51) B12(-2.77,-1.51)
  oval 1.6x1.1 hole 0.6 slot 1.1 at 0 deg: S1(-4.02,1.405) S2(3.98,1.405) S3(-4.02,-1.455) S4(3.98,-1.455)
  round 0.71 hole 0.71 unplated: ""(-4.02,-0.025) ""(3.98,-0.025)
  silkscreen extent -2.87,-1.61 2.26,2.73, body extent -4.5,-1.87 4.45,1.82, height 7.46
VLS3012HBX [mm]
  rrect50% 1x3.4 smd: 1(-1.05,0)
  rrect70% 1x3.4 smd: 2(1.05,0)
  silkscreen extent -1.72,-1.85 1.73,1.88, body extent -1.5,-1.52 1.47,1.52, height 1.2
XT30_3D [mm]
  round 3.6 hole 2.5 paste+6: 1(-2.5,0) 2(2.5,0)
  body extent -5.23,-2.58 5.23,2.67, height 13

## Part data
BT1: "Bluetooth HC-05", ComponentLink1Description=Chipdip, ComponentLink1URL=https://www.chipdip.ru/product0/8020390968
C1 C4_DRV1 C4_DRV2 C4_DRV3 C4_DRV4 C5_DRV1 C5_DRV2 C5_DRV3 C5_DRV4: library part "CAP Tantal", "Tantal SMD Cap"
C2 C28 C29: library part "Cap Aluminum", "25V"
C3: library part "Cap Aluminum"
C6_DRV1 C6_DRV2 C6_DRV3 C6_DRV4 C7_DRV1 C7_DRV2 C7_DRV3 C7_DRV4 C10 C11 C12 C13 C14 C15 C16 C17 C18 C19 C20 C21 C22 C23 C24 C25 C26 C27 C30 C31 C32 C33 C34 C35 C36 C37 C38 C39 C40 C41 C42 C43 C44 C45 C46: library part "CAP Ceramic", "Ceramic SMD Cap"
C8 C9: library part "Cap Aluminum", "50V"
D1 D2: library part "Diode Zener", "Zener Diode / BZV55C8V2"
DA1 DA2: "Buck converter"
G1: library part "TSX-3225 24.0000MF15X-AC6", "24MHz ±10ppm Crystal 9pF 40 Ohms 4-SMD, No Lead", Digi-Key Part Number=SER4180CT-ND, HelpURL=https://www.digikey.com/en/products/detail/epson/TSX-3225-24-0000MF15X-AC6/5261221, Manufacturer Part Number="TSX-3225 24.0000MF15X-AC6", Part Number="TSX-3225 24.0000MF15X-AC6", Price$=0.33
HL1 HL2 HL3 HL4 HL5 HL6 HL7 HL8 HL9 HL10 HL11 HL12 HL13 HL14 HL15 HL16 HL17 HL18 HL19: library part LED, "LED smd"
J1: library part USB-C, "USB4145-04-0070-C"
L1 L2: library part Inductor, "5A"
R1 R2 R3 R4_DRV1 R4_DRV2 R4_DRV3 R4_DRV4 R5_DRV1 R5_DRV2 R5_DRV3 R5_DRV4 R6_DRV1 R6_DRV2 R6_DRV3 R6_DRV4 R7_DRV1 R7_DRV2 R7_DRV3 R7_DRV4 R8 R9 R10 R11 R12 R13 R14 R15 R16 R17 R18 R19 R20 R21 R22 R23 R24 R25 R26 R27 R28 R29 R30 R31 R32 R33 R34 R35 R36 R37 R38 R39 R40 R41 R42 R43 R44 R45 R46 R47 R48 R49 R50 R51 R52 R53 R54 R55 R56 R57 R58 R59 R60 R61 R62 R63 R64 R65 R66 R67 R68 R69: library part RES, "RES smd"
SB1 SB2 SB3 SB4 SB5 SB6: library part TL3700AF160QG, "SWITCH TACTILE SPST-NO 0.02A 15V", Digi-Key Part Number=EG4919CT-ND, HelpURL=https://www.digikey.com/product-detail/en/e-switch/TL3700AF160QG/EG4919CT-ND/2538592, Part Number=TL3700AF160QG
SB7: library part "PTS636 SP43 LFS", "TACT 6.0 X 3.5, 4.3 MM H, 320GF,", Digi-Key Part Number=CKN12304-ND, HelpURL=https://www.digikey.com/product-detail/en/c-k/PTS636-SP43-LFS/CKN12304-ND/10071717, Manufacturer Part Number="PTS636 SP43 LFS", Part Number="PTS636 SP43 LFS", Price$=0.1
SW1 SW2 SW3 SW4: "2 pos switch", ComponentLink1Description=Chipdip, ComponentLink1URL=https://www.chipdip.ru/product0/8007034319
U1_DRV1 U1_DRV2 U1_DRV3 U1_DRV4 U2_DRV1 U2_DRV2 U2_DRV3 U2_DRV4: "DC motor driver 3.6A"
U3: "ARM Cortex-M4 32-bit MCU+FPU, 210 DMIPS, 1024 kB Flash, 192 kB Internal RAM, 82 I/Os, 100-pin LQFP, -40 to 85 degC, Tray", I/Os (High Current)=82, Manufacturer=STMicroelectronics, Operating Frequency(F) (Processor speed) (MHz)=168, Supplier Part Number 1=497-11605-ND, Supply Voltage(Vcc) max (V)=3.6, Supply Voltage(Vcc) min (V)=1.8, ComponentLink1Description="Manufacturer URL", ComponentLink1URL=http://www.st.com/web/en/home.html, ComponentLink2Description=Datasheet, ComponentLink2URL=http://www.st.com/st-web-ui/static/active/en/resource/technical/document/datasheet/DM00037051.pdf, ComponentLink3Description="Package Specification", ComponentLink3URL=http://www.st.com/st-web-ui/static/active/en/resource/technical/document/data_brief/DM00071938.pdf, Core="ARM Cortex-M4", D/A Converter=2x12-bit, DatasheetVersion="Rev. 4", FLASH Size (Prog) (kB)=1024, Internal RAM Size (kB)=192, Mounting Technology="Surface Mount", PackageDescription="100-Pin Low Profile Quad Flat Package, 14 x 14 mm Body, 0.5 mm Pitch", PackageReference=LQFP100, PackageVersion="Rev. 1, 06/2013", Packing=Tray, PartNumber=STM32F407VGT6, Supplier 1=Digi-Key, Supplier 2=Farnell, Supplier 3=Newark, Supplier 4=Mouser, Supplier Part Number 2=2064368, Supplier Part Number 3=73T2333, Supplier Part Number 4=511-STM32F407VGT6
U4: library part LM139DR, "Quad differential comparator", ComponentLink1Description=Chipdip, ComponentLink1URL=https://www.chipdip.ru/product0/8013766664
VD1 VD2: "Protective diode"
VT2: "N-MOSFET / Uds = 60 V / Ids = 30 A / Rds = 0.023 Ohm / P = 55 W", ComponentLink1Description=Chipdip, ComponentLink1URL=https://www.chipdip.ru/product/std30nf06l-umw
VT3: "P-MOSFET / Uds = 60 V / Ids = 13 A / Rds = 0.100 Ohm / P = 60 W", ComponentLink1Description=Chipdip, ComponentLink1URL=https://www.chipdip.ru/product/tpstd10p6f6
VT4: "N-MOSFET / Uds = 20 V / Ids = 4.2 A / Rds = 0.035 Ohm / P = 8 W", ComponentLink1Description=Chipdip, ComponentLink1URL=https://www.chipdip.ru/product/irlml2502-umw
VT5: "P-MOSFET / Uds = 40 V / Ids = 40 A / Rds = 0.012 Ohm / P = 3.0 W", ComponentLink1Description=Chipdip, ComponentLink1URL=https://www.chipdip.ru/product/fdd6637-vbsemi
VT?: "Mosfet driver"
XP1 XP2: library part JST-XH-8, "JST_B8B-XH-A(LF)(SN)"
XP3 XP4 XP5 XP6 XP12 XP13 XP14 XP16 XP17 XP18 XP19 XP21 XP22: library part JST-XH-2, "JST_B2B-XH-A(LF)(SN)"
XP7 XP9 XP10 XP11: library part JST_XH-4, "JST_B4B-XH-A(LF)(SN)"
XP8: library part "Header 3"
XP15 XP20: library part "Power connectors"

## Free pads (board coordinates)
  round 3.5 hole 3.5: 1(20.45,137.83) 1(20.45,62.17) 1(56.866,121.92) 1(56.866,78.08) 1(62.17,20.45) 1(78.08,56.866) 1(121.92,56.866) 1(137.83,20.451) 1(143.134,78.08) 1(143.134,121.92) 1(179.55,62.17) 1(179.55,137.83)

## Nets (pads, with @x,y where several pads share a name; then routed paths per layer and width w, separated by ;. In a path a pad name is that pad's centre, name@x,y a point inside that pad or via, vN(x,y) a via of type N, cw(c..) or ccw(c..) an arc to the next point about the centre after c; other vN are vias at no path point)
+3V3: BT1.12 C12.1 C13.1 C14.1 C15.1 C16.1 C19.1 C20.1 C21.1 C22.1 C23.2 C24.1 C25.2 C40.1 C41.1 C42.1 C43.1 C45.2 C46.1 HL11.2 R1.2 R4_DRV1.2 R4_DRV2.2 R4_DRV3.2 R4_DRV4.2 R5_DRV1.2 R5_DRV2.2 R5_DRV3.2 R5_DRV4.2 R6_DRV1.2 R6_DRV2.2 R6_DRV3.2 R6_DRV4.2 R7_DRV1.2 R7_DRV2.2 R7_DRV3.2 R7_DRV4.2 R12.2 R16.1 R40.2 R54.2 R55.2 R56.2 R57.2 SB1.1 SB1.2 SB2.1 SB2.2 SB3.1 SB3.2 SB6.1 SB6.2 SB7.2 SW1.1 SW2.1 SW3.1 SW4.1 U1_DRV1.4 U1_DRV2.4 U1_DRV3.4 U1_DRV4.4 U2_DRV1.4 U2_DRV2.4 U2_DRV3.4 U2_DRV4.4 U3.6 U3.11 U3.19 U3.21 U3.22 U3.28 U3.50 U3.75 U3.100 XP1.8 XP2.8 XP5.1 XP10.4 XP12.1
+5V: C1.2 HL9.2 R13.2 XP7.4 XP9.4 XP13.1
+12V: C2.1 C4_DRV1.2 C4_DRV2.2 C4_DRV3.2 C4_DRV4.2 C5_DRV1.2 C5_DRV2.2 C5_DRV3.2 C5_DRV4.2 C6_DRV1.2 C6_DRV2.2 C6_DRV3.2 C6_DRV4.2 C7_DRV1.2 C7_DRV2.2 C7_DRV3.2 C7_DRV4.2 C8.1 C9.1 C10.2 C11.2 C17.2 C18.2 C38.2 DA1.5 DA2.5 HL7.2 R36.2 R58.2 U1_DRV1.5 U1_DRV2.5 U1_DRV3.5 U1_DRV4.5 U2_DRV1.5 U2_DRV2.5 U2_DRV3.5 U2_DRV4.5 VT5.D VT?.6 XP15.2 XP21.1
+48V: HL5.2 VT3.S XP22.1
BG_LED: HL4.2 U3.41
FP1: XP11.4
FP2: XP11.3
FP3: XP11.2
FP4: XP11.1
GK_LED: HL10.2 U3.39
GND: BT1.13 BT1.21 BT1.22 C1.1 C2.2 C3.2 C4_DRV1.1 C4_DRV2.1 C4_DRV3.1 C4_DRV4.1 C5_DRV1.1 C5_DRV2.1 C5_DRV3.1 C5_DRV4.1 C6_DRV1.1 C6_DRV2.1 C6_DRV3.1 C6_DRV4.1 C7_DRV1.1 C7_DRV2.1 C7_DRV3.1 C7_DRV4.1 C8.2 C9.2 C10.1 C11.1 C12.2 C13.2 C14.2 C15.2 C16.2 C19.2 C20.2 C21.2 C22.2 C23.1 C24.2 C25.1 C32.1 C33.1 C34.2 C35.2 C39.1 C44.1 C45.1 D1.A D2.A DA1.1 DA2.1 G1.2 G1.4 HL17.1 J1.A1 J1.A12 J1.B1 J1.B12 J1.S1 J1.S2 J1.S3 J1.S4 R2.1 R3.1 R9.1 R11.1 R14.1 R15.1 R18.2 R19.1 R20.1 R21.1 R22.1 R23.1 R24.1 R25.1 R26.1 R27.1 R28.1 R29.1 R30.1 R31.1 R34.1 R37.1 R38.1 R39.1 R41.1 R42.1 R43.1 R45.1 R51.1 R53.1 R59.1 R60.1 R63.1 R64.1 R65.1 R68.1 SB4.1 SB4.2 SB5.1 SB5.2 SW1.3 SW2.3 SW3.3 SW4.3 U1_DRV1.1 U1_DRV1.7 U1_DRV1.9 U1_DRV2.1 U1_DRV2.7 U1_DRV2.9 U1_DRV3.1 U1_DRV3.7 U1_DRV3.9 U1_DRV4.1 U1_DRV4.7 U1_DRV4.9 U2_DRV1.1 U2_DRV1.7 U2_DRV1.9 U2_DRV2.1 U2_DRV2.7 U2_DRV2.9 U2_DRV3.1 U2_DRV3.7 U2_DRV3.9 U2_DRV4.1 U2_DRV4.7 U2_DRV4.9 U3.10 U3.20 U3.27 U3.74 U3.99 U4.12 VD1.A VD2.A VD3.A VD4.A VT2.S VT4.S VT?.3 XP1.1 XP2.1 XP3.2 XP4.2 XP7.1 XP8.2 XP9.1 XP10.1 XP12.2 XP13.2 XP14.1 XP15.1 XP20.1 XP21.2 XP22.2
IN1_DRV1: R6_DRV1.1 R7_DRV1.1 U1_DRV1.2 U2_DRV1.2 U3.4
IN1_DRV2: R6_DRV2.1 R7_DRV2.1 U1_DRV2.2 U2_DRV2.2 U3.31
IN1_DRV3: R6_DRV3.1 R7_DRV3.1 U1_DRV3.2 U2_DRV3.2 U3.53
IN1_DRV4: R6_DRV4.1 R7_DRV4.1 U1_DRV4.2 U2_DRV4.2 U3.61
IN2_DRV1: R4_DRV1.1 R5_DRV1.1 U1_DRV1.3 U2_DRV1.3 U3.5
IN2_DRV2: R4_DRV2.1 R5_DRV2.1 U1_DRV2.3 U2_DRV2.3 U3.32
IN2_DRV3: R4_DRV3.1 R5_DRV3.1 U1_DRV3.3 U2_DRV3.3 U3.54
IN2_DRV4: R4_DRV4.1 R5_DRV4.1 U1_DRV4.3 U2_DRV4.3 U3.62
KICK_IN: R14.2 U3.24 VT?.2 VT?.4
LB_IN1: XP1.2
LB_IN2: XP1.3
LB_IN3: XP1.4
LB_IN4: XP1.5
LB_OUT1: XP1.6
LB_OUT2: XP1.7
LED1: HL1.2 U3.43
LED2: HL2.2 U3.44
LED3: HL3.2 U3.45
MTR_ON: HL12.2
NetBT1_1: BT1.1 R61.1
NetBT1_2: BT1.2 R62.1
NetBT1_3: BT1.3
NetBT1_4: BT1.4
NetBT1_5: BT1.5
NetBT1_6: BT1.6
NetBT1_7: BT1.7
NetBT1_8: BT1.8
NetBT1_9: BT1.9
NetBT1_10: BT1.10
NetBT1_11: BT1.11
NetBT1_14: BT1.14
NetBT1_15: BT1.15
NetBT1_16: BT1.16
NetBT1_17: BT1.17
NetBT1_18: BT1.18
NetBT1_19: BT1.19
NetBT1_20: BT1.20
NetBT1_23: BT1.23
NetBT1_24: BT1.24
NetBT1_25: BT1.25
NetBT1_26: BT1.26
NetBT1_27: BT1.27
NetBT1_28: BT1.28
NetBT1_29: BT1.29
NetBT1_30: BT1.30
NetBT1_31: BT1.31 HL18.2
NetBT1_32: BT1.32 HL19.2
NetBT1_33: BT1.33@338.994,43.425
NetBT1_34: BT1.34@338.994,44.925 C46.2 R65.2 SB7.1
NetC17_1: C17.1 DA1.4
NetC18_1: C18.1 DA2.4
NetC26_1: C26.1 C28.2 C30.1 DA1.2
NetC26_2: C26.2 C28.1 C30.2 L1.2 R8.2 R12.1
NetC27_1: C27.1 C29.2 C31.1 DA2.2
NetC27_2: C27.2 C29.1 C31.2 L2.2 R10.2 R13.1
NetC32_2: C32.2 U3.73
NetC33_2: C33.2 U3.49
NetC34_1: C34.1 G1.3 U3.12
NetC35_1: C35.1 G1.1 U3.13
NetC36_1: C36.1 C37.1 R33.2 VT4.D VT5.G
NetC36_2: C36.2 R32.2 SB4.3 SB4.4 VD6.K
NetC38_1: C38.1 R35.2 VT4.G
NetC39_2: C39.2 R40.1 SB5.3 SB5.4
NetC40_2: C40.2 R39.2 SB1.3 SB1.4
NetC41_2: C41.2 R41.2 SB2.3 SB2.4
NetC42_2: C42.2 R42.2 SB6.3 SB6.4
NetC43_2: C43.2 R43.2 SB3.3 SB3.4
NetD1_K: D1.K R67.1 R68.2 R69.2
NetD2_K: D2.K R46.1 R47.2
NetDA1_3: DA1.3 L1.1 VD3.K
NetDA2_3: DA2.3 L2.1 VD4.K
NetHL1_1: HL1.1 R19.2
NetHL2_1: HL2.1 R22.2
NetHL3_1: HL3.1 R25.2
NetHL4_1: HL4.1 R20.2
NetHL5_1: HL5.1 R21.2
NetHL6_1: HL6.1 R23.2
NetHL7_1: HL7.1 R24.2
NetHL8_1: HL8.1 R26.2
NetHL9_1: HL9.1 R27.2
NetHL10_1: HL10.1 R28.2
NetHL11_1: HL11.1 R29.2
NetHL12_1: HL12.1 R30.2
NetHL13_1: HL13.1 U4.2
NetHL13_2: HL13.2 R54.1
NetHL14_1: HL14.1 U4.1
NetHL14_2: HL14.2 R55.1
NetHL15_1: HL15.1 U4.14
NetHL15_2: HL15.2 R56.1
NetHL16_1: HL16.1 U4.13
NetHL16_2: HL16.2 R57.1
NetHL17_2: HL17.2 R58.1
NetHL18_1: HL18.1 R63.2
NetHL19_1: HL19.1 R64.2
NetJ1_A4: J1.A4
NetJ1_A5: J1.A5
NetJ1_A6: J1.A6 J1.B6 VD2.K XP8.1
NetJ1_A7: J1.A7 J1.B7 VD1.K XP8.3
NetJ1_A8: J1.A8
NetJ1_A9: J1.A9
NetJ1_B4: J1.B4
NetJ1_B5: J1.B5
NetJ1_B8: J1.B8
NetJ1_B9: J1.B9
NetR1_1: R1.1 XP3.1
NetR2_2: R2.2 XP5.2
NetR3_2: R3.2 XP14.2
NetR8_1: R8.1 R9.2
NetR10_1: R10.1 R11.2
NetR15_2: R15.2 U3.94
NetR16_2: R16.2 U3.14
NetR17_1: R17.1 R18.1 VT?.5 VT?.7
NetR17_2: R17.2 VT2.G VT3.G
NetR31_2: R31.2 SW1.2
NetR34_2: R34.2 SW2.2
NetR35_1: R35.1 R36.1 VD6.A
NetR37_2: R37.2 SW3.2
NetR38_2: R38.2 SW4.2
NetR44_1: R44.1 R45.2
NetR47_1: R47.1 R48.2 U4.5
NetR48_1: R48.1 R49.2 U4.7
NetR49_1: R49.1 R50.2 U4.9
NetR50_1: R50.1 R51.2 U4.11
NetR52_1: R52.1 R53.2 U4.4 U4.6 U4.8 U4.10
NetR59_2: R59.2 R62.2
NetR60_2: R60.2 R61.2
NetR66_1: R66.1 R67.2
NetR66_2: R66.2
NetR69_1: R69.1
NetU3_1: U3.1
NetU3_2: U3.2
NetU3_3: U3.3
NetU3_7: U3.7
NetU3_8: U3.8
NetU3_9: U3.9
NetU3_15: U3.15
NetU3_16: U3.16
NetU3_17: U3.17
NetU3_18: U3.18
NetU3_23: U3.23
NetU3_25: U3.25
NetU3_26: U3.26
NetU3_29: U3.29
NetU3_30: U3.30
NetU3_33: U3.33
NetU3_34: U3.34
NetU3_35: U3.35
NetU3_36: U3.36
NetU3_37: U3.37
NetU3_38: U3.38
NetU3_46: U3.46
NetU3_47: U3.47
NetU3_48: U3.48
NetU3_51: U3.51
NetU3_52: U3.52
NetU3_55: U3.55
NetU3_56: U3.56
NetU3_57: U3.57
NetU3_58: U3.58
NetU3_59: U3.59
NetU3_60: U3.60
NetU3_63: U3.63
NetU3_64: U3.64
NetU3_65: U3.65
NetU3_66: U3.66
NetU3_67: U3.67
NetU3_68: U3.68
NetU3_69: U3.69
NetU3_70: U3.70
NetU3_71: U3.71
NetU3_72: U3.72
NetU3_76: U3.76
NetU3_77: U3.77
NetU3_78: U3.78
NetU3_79: U3.79
NetU3_80: U3.80
NetU3_81: U3.81
NetU3_82: U3.82
NetU3_83: U3.83
NetU3_84: U3.84
NetU3_85: U3.85
NetU3_86: U3.86
NetU3_87: U3.87
NetU3_88: U3.88
NetU3_89: U3.89
NetU3_90: U3.90
NetU3_91: U3.91
NetU3_92: U3.92
NetU3_93: U3.93
NetU3_95: U3.95
NetU3_96: U3.96
NetU3_97: U3.97
NetU3_98: U3.98
NetVD5_A: VD5.A VT2.D
NetVD5_K: VD5.K VT3.D
NetXP2_2: XP2.2
NetXP2_3: XP2.3
NetXP2_4: XP2.4
NetXP2_5: XP2.5
NetXP2_6: XP2.6
NetXP2_7: XP2.7
NetXP4_1: XP4.1
NetXP6_1: XP6.1
NetXP6_2: XP6.2
NetXP7_2: XP7.2
NetXP7_3: XP7.3
NetXP9_2: XP9.2
NetXP9_3: XP9.3
NetXP10_2: XP10.2
NetXP10_3: XP10.3
NetXP16_1: XP16.1
NetXP16_2: XP16.2
NetXP17_1: XP17.1
NetXP17_2: XP17.2
NetXP18_1: XP18.1
NetXP18_2: XP18.2
NetXP19_1: XP19.1
NetXP19_2: XP19.2
OUT1_DRV1: U1_DRV1.6 U2_DRV1.6
OUT1_DRV2: U1_DRV2.6 U2_DRV2.6
OUT1_DRV3: U1_DRV3.6 U2_DRV3.6
OUT1_DRV4: U1_DRV4.6 U2_DRV4.6
OUT2_DRV1: U1_DRV1.8 U2_DRV1.8
OUT2_DRV2: U1_DRV2.8 U2_DRV2.8
OUT2_DRV3: U1_DRV3.8 U2_DRV3.8
OUT2_DRV4: U1_DRV4.8 U2_DRV4.8
ST_LED: HL8.2 U3.40
Vbat: C3.1 C37.2 C44.2 R32.1 R33.1 R44.2 R46.2 R52.2 U4.3 VT5.S XP20.2
YG_LED: HL6.2 U3.42
pads on no net: BT1.33@325.794,45.925 BT1.34@324.694,45.925 C8. C9. C28. C29. G1.0 J1. VT2. VT3. VT5. VT?.1 VT?.8